# Altium PCB SupBigBrrg_0.PcbDoc (part 23 of 29)
Units mm, origin at the board's own origin, x right, y up, seen from the top; angles counter-clockwise.
Board outline 400 x 344 mm, 6 copper layers (TopLayer, PlaneGnd, PlanePwr, MidLayer3, MidLayer4, BottomLayer); 1288 components, 1323 nets, 5024 pads, 1078 vias.
Unrouted connection lines stored in the file: 1824.
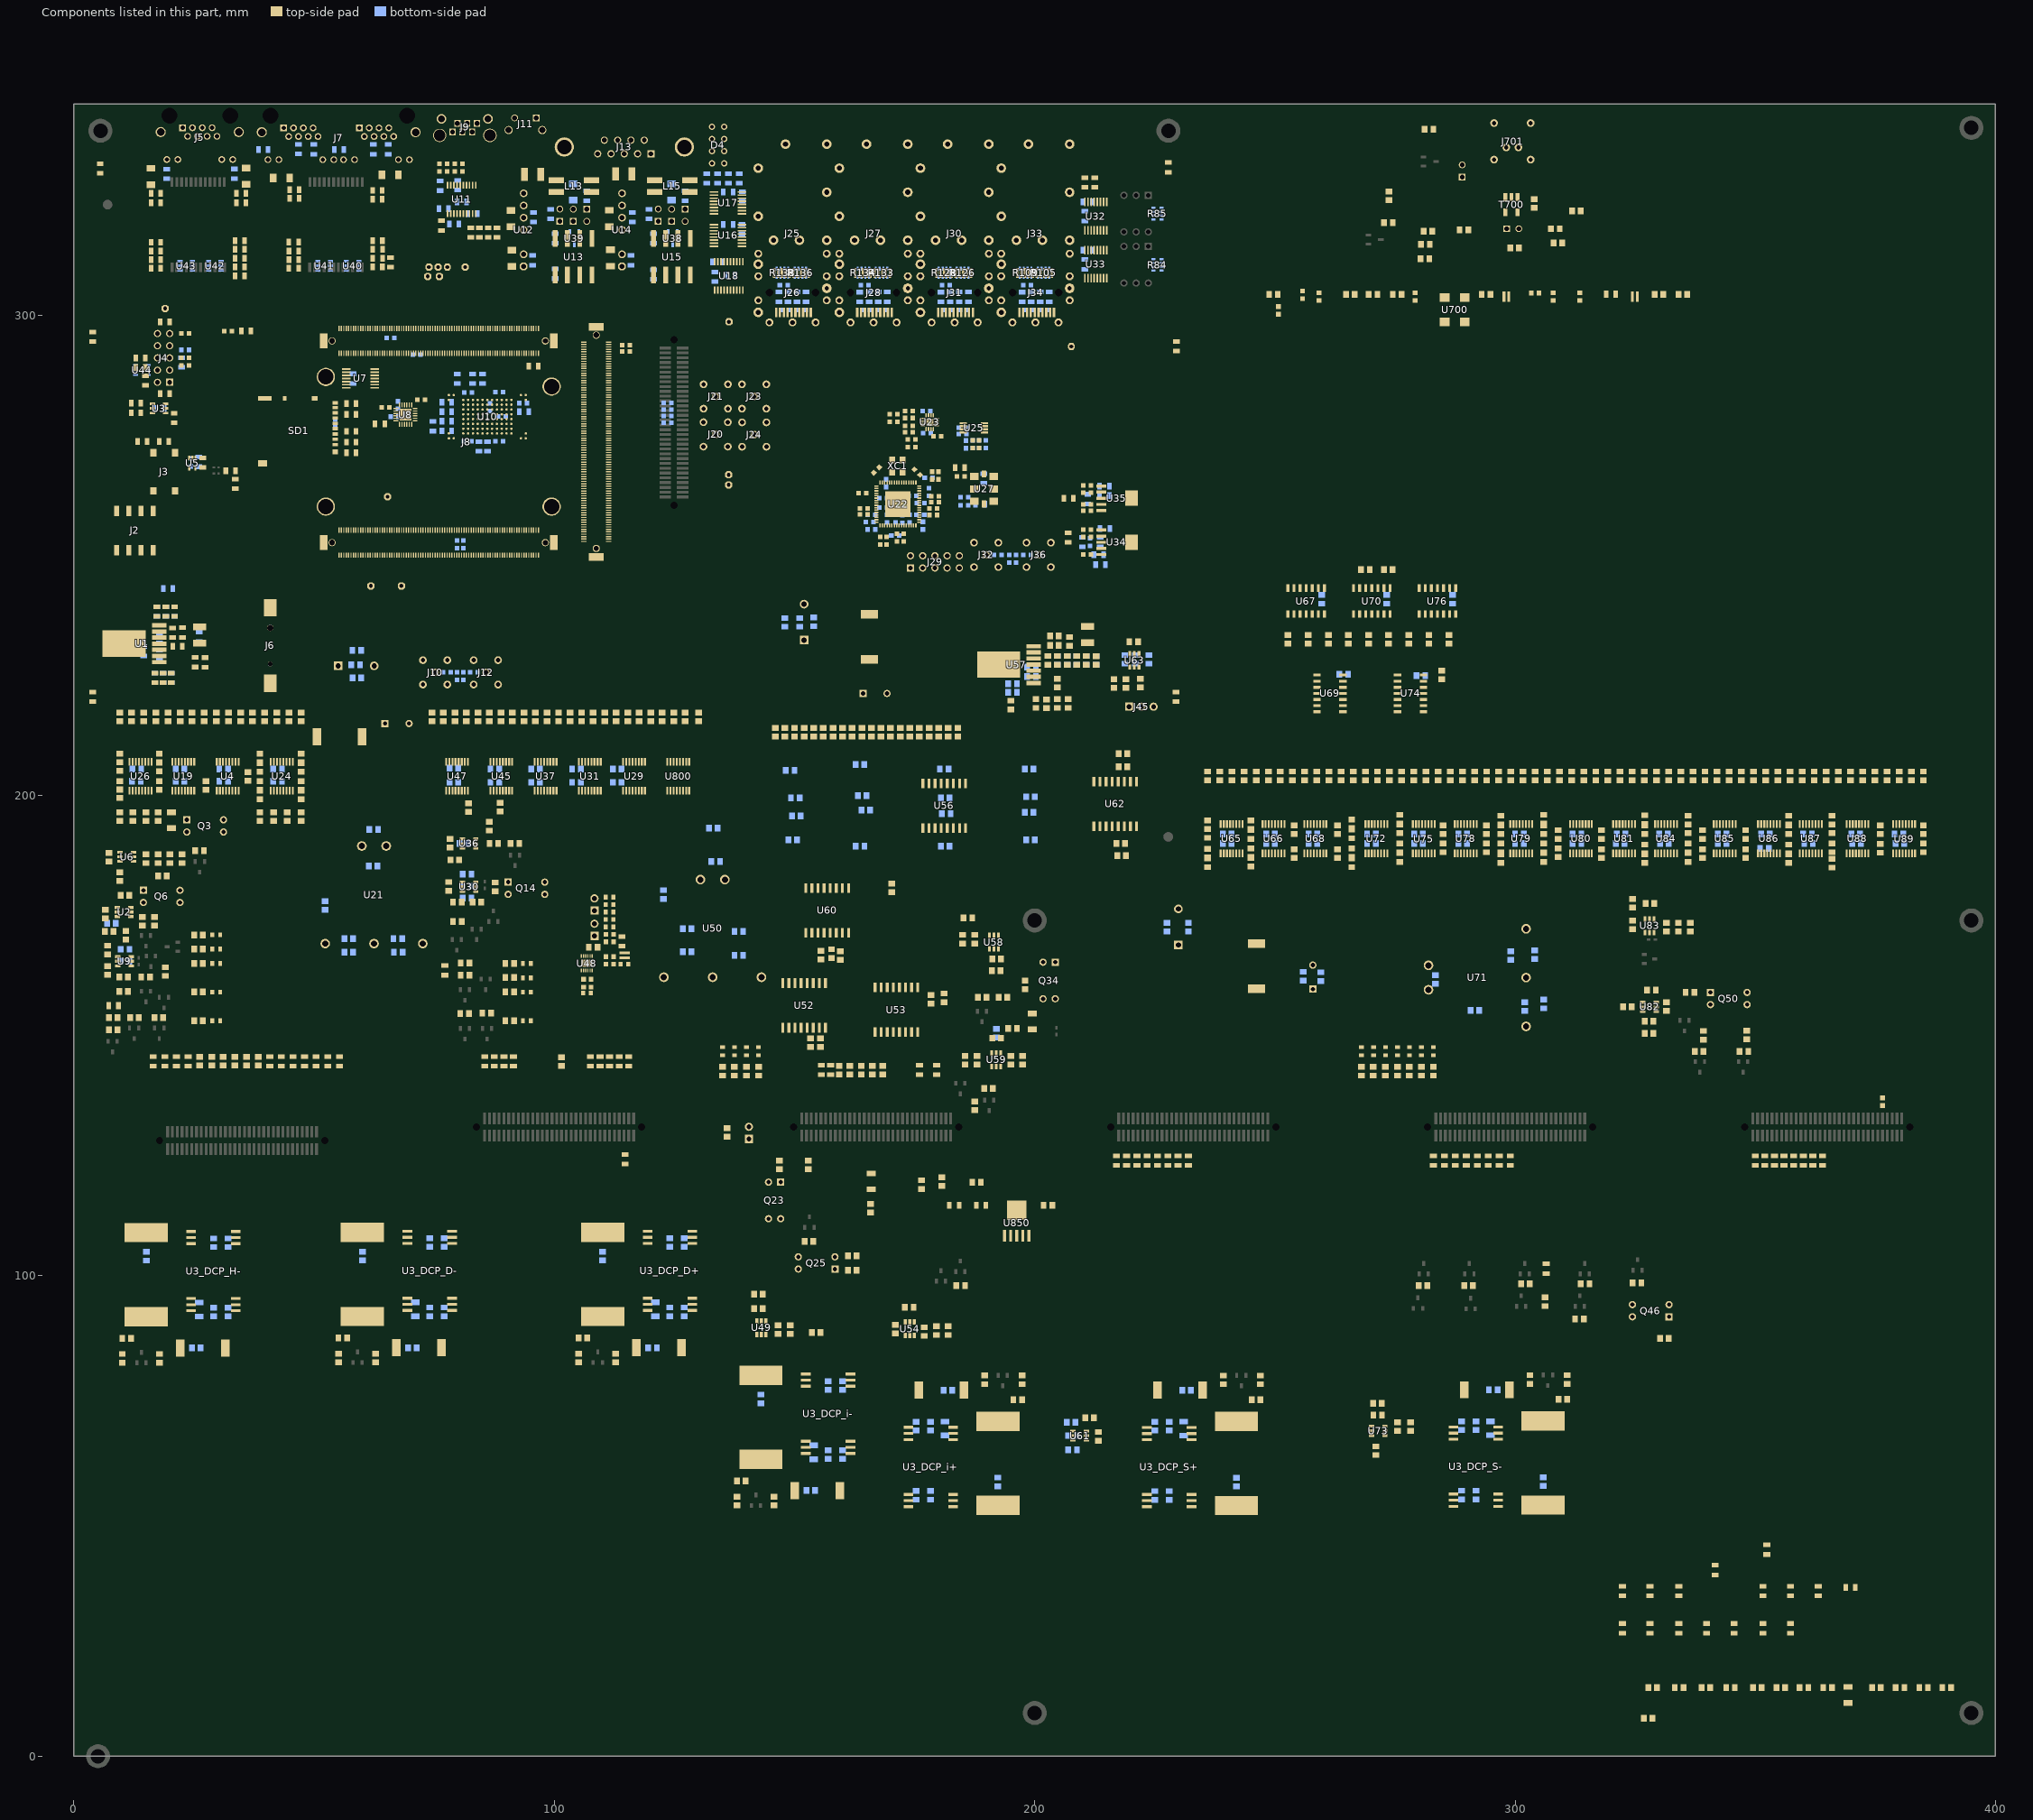
[diagram p27: the components of this part, seen from the top]

## Components (designator, comment, footprint, x,y, rotation, side; value= is the part's Value field where it differs from the comment) (continued)
R379 "0" SMD0805RES 266,185 r90 top locked (schematic designator R352)
R380 "0" SMD0805RES 266.002,193.098 r90 top locked (schematic designator R351)
R381 "10k" SMD0805RES 265.998,189.102 r270 top locked (schematic designator R333)
R382 "120" SMD0805RES 266.307,203.098 r90 top locked (schematic designator R331)
R383 "10k" SMD0805RES 268.002,141.598 r90 top locked (schematic designator R481)
R384 "120" SMD0805RES 268.832,203.098 r90 top locked (schematic designator R336)
R385 "1k" SMD0805RES 269.502,231.5 r90 top locked (schematic designator R300)
R386 "10k" SMD0805RES 270.502,141.598 r90 top locked (schematic designator R476)
R387 "430" SMD0805RES 272.352,73.502 r180 top locked (schematic designator R504)
R388 "5k6" SMD0805RES 271.002,62.598 r90 top locked (schematic designator R503)
R389 "120" SMD0805RES 271.358,203.098 r90 top locked (schematic designator R341)
R390 "100k" SMD0805RES 274.602,247.002 r180 top locked (schematic designator R299)
R391 "10k" SMD0805RES 272.998,143.602 r270 top locked (schematic designator R489)
R392 "1k" SMD0805RES 273.689,231.5 r90 top locked (schematic designator R298)
R393 "120" SMD0805RES 273.883,203.098 r90 top locked (schematic designator R346)
R394 "10k" SMD0805RES 275.498,143.602 r270 top locked (schematic designator R492)
R395 "0" SMD0805RES 276.002,194.098 r90 top locked (schematic designator R350)
R396 "10k" SMD0805RES 276.002,192.098 r90 top locked (schematic designator R343)
R397 "10k" SMD0805RES 275.998,190.102 r270 top locked (schematic designator R395)
R398 "0" SMD0805RES 275.998,188.102 r270 top locked (schematic designator R349)
R399 "120" SMD0805RES 276.409,203.098 r90 top locked (schematic designator R329)
R400 "10k" SMD0805RES 277.873,233.504 r270 top locked (schematic designator R303)
R401 "1k" SMD0805RES 277.998,143.602 r270 top locked (schematic designator R501)
R402 "100k" SMD0805RES 278.248,69.652 r270 top locked (schematic designator R500)
R403 "120" SMD0805RES 278.934,203.098 r90 top locked (schematic designator R339)
R404 "100k" SMD0805RES 279.848,97.998 r0 top locked (schematic designator R490)
R405 "1k" SMD0805RES 280.498,143.602 r270 top locked (schematic designator R505)
R406 "120" SMD0805RES 281.459,203.098 r90 top locked (schematic designator R334)
R407 "10k" SMD0805RES 282.061,233.504 r270 top locked (schematic designator R302)
R408 "3k" SMD0805RES 283.002,141.598 r90 top locked (schematic designator R495)
R409 "120" SMD0805RES 283.985,203.098 r90 top locked (schematic designator R344)
R410 "10k" SMD0805RES 284.748,226.102 r270 top locked (schematic designator R304)
R411 "10k" SMD0805RES 285.002,191.898 r90 top locked (schematic designator R337)
R412 "10k" SMD0805RES 284.998,190.102 r270 top locked (schematic designator R332)
R413 "1k" SMD0805RES 286.252,231.5 r90 top locked (schematic designator R301)
R414 "120" SMD0805RES 286.51,203.098 r90 top locked (schematic designator R330)
R415 "120" SMD0805RES 289.036,203.098 r90 top locked (schematic designator R335)
R416 "100k" SMD0805RES 289.348,97.998 r0 top locked (schematic designator R493)
R417 "120" SMD0805RES 291.561,203.098 r90 top locked (schematic designator R340)
R418 "10k" SMD0805RES 294.002,191.898 r90 top locked (schematic designator R342)
R419 "10k" SMD0805RES 293.998,190.102 r270 top locked (schematic designator R347)
R420 "120" SMD0805RES 294.087,203.098 r90 top locked (schematic designator R345)
R421 "120" SMD0805RES 296.612,203.098 r90 top locked (schematic designator R355)
R422 "0" SMD0805RES 297.002,193.898 r90 top locked (schematic designator R375)
R423 "10k" SMD0805RES 297.002,191.898 r90 top locked (schematic designator R362)
R424 "0" SMD0805RES 297.002,185.898 r90 top locked (schematic designator R376)
R425 "10k" SMD0805RES 296.998,190.102 r270 top locked (schematic designator R357)
R426 "120" SMD0805RES 299.137,203.098 r90 top locked (schematic designator R360)
R427 "100k" SMD0805RES 301.148,98.369 r0 top locked (schematic designator R502)
R428 "120" SMD0805RES 301.663,203.098 r90 top locked (schematic designator R365)
R430 "120" SMD0805RES 304.188,203.098 r90 top locked (schematic designator R370)
R431 "0" SMD0805RES 306.002,194.098 r90 top locked (schematic designator R374)
R432 "10k" SMD0805RES 306.002,191.898 r90 top locked (schematic designator R367)
R433 "10k" SMD0805RES 305.998,190.102 r270 top locked (schematic designator R372)
R434 "0" SMD0805RES 305.998,188.102 r270 top locked (schematic designator R373)
R435 "120" SMD0805RES 306.714,203.098 r90 top locked (schematic designator R354)
R436 "10k" SMD0805RES 309.002,190.898 r90 top locked (schematic designator R361)
R437 "10k" SMD0805RES 308.998,189.102 r270 top locked (schematic designator R356)
R439 "120" SMD0805RES 309.239,203.098 r90 top locked (schematic designator R359)
R441 "120" SMD0805RES 311.764,203.098 r90 top locked (schematic designator R364)
R442 "100k" SMD0805RES 313.598,98.369 r0 top locked (schematic designator R506)
R443 "120" SMD0805RES 314.29,203.098 r90 top locked (schematic designator R369)
R444 "120" SMD0805RES 316.815,203.098 r90 top locked (schematic designator R353)
R445 "10k" SMD0805RES 318.002,190.898 r90 top locked (schematic designator R366)
R446 "10k" SMD0805RES 317.998,188.902 r270 top locked (schematic designator R371)
R447 "120" SMD0805RES 319.341,203.098 r90 top locked (schematic designator R358)
R448 "120" SMD0805RES 321.866,203.098 r90 top locked (schematic designator R363)
R449 "15k" SMD0805RES 322.398,155.998 r0 top locked (schematic designator R488)
R450 "120" SMD0805RES 324.392,203.098 r90 top locked (schematic designator R368)
R451 "10k" SMD0805RES 324.498,174.102 r270 top locked (schematic designator R479)
R452 "680k" SMD0805RES 324.398,98.498 r0 top locked (schematic designator R496)
R453 "120" SMD0805RES 326.917,203.098 r90 top locked (schematic designator R379)
R454 "0" SMD0805RES 327,194 r90 top locked (schematic designator R399)
R455 "10k" SMD0805RES 327.002,191.898 r90 top locked (schematic designator R386)
R456 "0" SMD0805RES 327.002,185.898 r90 top locked (schematic designator R400)
R457 "10k" SMD0805RES 326.998,189.902 r270 top locked (schematic designator R381)
R458 "430" SMD0805RES 328.902,150.502 r180 top locked (schematic designator R491)
R459 "100k" SMD0805RES 327.098,177.498 r0 top locked (schematic designator R480)
R460 "120" SMD0805RES 329.442,203.098 r90 top locked (schematic designator R384)
R461 "56k" SMD0805RES 330.098,86.998 r0 top locked (schematic designator R499)
R462 "100k" SMD0805RES 331.498,157.102 r270 top locked (schematic designator R486)
R463 "120" SMD0805RES 331.968,203.098 r90 top locked (schematic designator R389)
R464 "430" SMD0805RES 334.002,171.598 r90 top locked (schematic designator R484)
R465 "120" SMD0805RES 334.493,203.098 r90 top locked (schematic designator R394)
R466 "56k" SMD0805RES 335.398,158.998 r0 top locked (schematic designator R487)
R467 "0" SMD0805RES 336.002,193.898 r90 top locked (schematic designator R398)
R468 "10k" SMD0805RES 336.002,192.098 r90 top locked (schematic designator R391)
R469 "10k" SMD0805RES 335.998,190.102 r270 top locked (schematic designator R396)
R470 "0" SMD0805RES 335.998,188.102 r270 top locked (schematic designator R397)
R471 "15k" SMD0805RES 336.498,173.602 r270 top locked (schematic designator R482)
R472 "120" SMD0805RES 337.019,203.098 r90 top locked (schematic designator R378)
R473 "100k" SMD0805RES 337.348,146.748 r0 top locked (schematic designator R477)
R474 "10k" SMD0805RES 339.002,190.898 r90 top locked (schematic designator R385)
R475 "10k" SMD0805RES 338.998,188.902 r270 top locked (schematic designator R380)
R476 "100k" SMD0805RES 339.248,151.102 r270 top locked (schematic designator R478)
R477 "120" SMD0805RES 339.544,203.098 r90 top locked (schematic designator R383)
R478 "120" SMD0805RES 342.07,203.098 r90 top locked (schematic designator R388)
R479 "120" SMD0805RES 344.595,203.098 r90 top locked (schematic designator R393)
R480 "680k" SMD0805RES 348.652,146.752 r180 top locked (schematic designator R483)
R481 "120" SMD0805RES 347.12,203.098 r90 top locked (schematic designator R377)
R482 "10k" SMD0805RES 348.002,190.898 r90 top locked (schematic designator R390)
R483 "10k" SMD0805RES 347.998,188.902 r270 top locked (schematic designator R395)
R484 "680k" SMD0805RES 348.248,151.152 r270 top locked (schematic designator R485)
R485 "120" SMD0805RES 349.646,203.098 r90 top locked (schematic designator R382)
R486 "120" SMD0805RES 352.171,203.098 r90 top locked (schematic designator R387)
R487 "120" SMD0805RES 354.697,203.098 r90 top locked (schematic designator R392)
R488 "0" SMD0805RES 357.002,193.898 r90 top locked (schematic designator R423)
R489 "10k" SMD0805RES 357.002,191.898 r90 top locked (schematic designator R410)
R490 "0" SMD0805RES 357.002,185.898 r90 top locked (schematic designator R424)
R491 "10k" SMD0805RES 356.998,189.902 r270 top locked (schematic designator R405)
R492 "120" SMD0805RES 357.222,203.098 r90 top locked (schematic designator R403)
R493 "120" SMD0805RES 359.748,203.098 r90 top locked (schematic designator R408)
R494 "120" SMD0805RES 362.273,203.098 r90 top locked (schematic designator R413)
R495 "120" SMD0805RES 364.798,203.098 r90 top locked (schematic designator R418)
R496 "0" SMD0805RES 366.002,193.898 r90 top locked (schematic designator R422)
R497 "10k" SMD0805RES 366.002,192.098 r90 top locked (schematic designator R415)
R498 "10k" SMD0805RES 365.998,190.102 r270 top locked (schematic designator R420)
R499 "0" SMD0805RES 365.998,186.902 r270 top locked (schematic designator R421)
R500 "120" SMD0805RES 367.324,203.098 r90 top locked (schematic designator R401)
R501 "120" SMD0805RES 369.849,203.098 r90 top locked (schematic designator R406)
R502 "120" SMD0805RES 372.375,203.098 r90 top locked (schematic designator R411)
R503 "120" SMD0805RES 374.9,203.098 r90 top locked (schematic designator R416)
R504 "10k" SMD0805RES 376.002,191.898 r90 top locked (schematic designator R404)
R505 "10k" SMD0805RES 376,190 r270 top locked (schematic designator R409)
R506 "120" SMD0805RES 377.425,203.098 r90 top locked (schematic designator R402)
R507 "120" SMD0805RES 379.951,203.098 r90 top locked (schematic designator R407)
R508 "120" SMD0805RES 382.476,203.098 r90 top locked (schematic designator R412)
R509 "120" SMD0805RES 385.002,203.098 r90 top locked (schematic designator R417)
R510 "10k" SMD0805RES 385.002,191.898 r90 top locked (schematic designator R414)
R511 "10k" SMD0805RES 384.998,190.102 r270 top locked (schematic designator R419)
R512 "1k5" SMD0805RES 223.748,227.348 r90 bottom locked (schematic designator R292)
R513 "5k6" SMD0805RES 208.902,63.748 r180 bottom locked (schematic designator R497)
R514 "430" SMD0805RES 208.602,69.498 r180 bottom locked (schematic designator R498)
R515 "DNP" SMD0805RES 200.152,190.748 r180 bottom (schematic designator R263)
R516 "1k" SMD0805RES 197.848,205.502 r0 bottom (schematic designator R262)
R517 "15k" SMD0805RES 192,149.5 r90 bottom (schematic designator R454)
R518 "1k" SMD0805RES 180.348,189.502 r0 bottom (schematic designator R252)
R519 "DNP" SMD0805RES 182.152,205.498 r180 bottom (schematic designator R251)
R520 "1k" SMD0805RES 162.648,189.502 r0 bottom (schematic designator R243)
R521 "DNP" SMD0805RES 164.602,206.498 r180 bottom (schematic designator R242)
R522 "DNP" SMD0805RES 150.652,190.748 r180 bottom (schematic designator R241)
R523 "1k" SMD0805RES 148.098,205.252 r0 bottom (schematic designator R240)
R524 "430" SMD0805RES 82.852,183.648 r180 bottom locked (schematic designator R9)
R525 "5k6" SMD0805RES 82.852,178.648 r180 bottom locked (schematic designator R7)
R526 "0" SMD0805RES 17.748,208.852 r270 top locked (schematic designator R236)
R527 "100k" SMD0805RES 17.502,194.598 r90 top locked (schematic designator R235)
R528 "0" SMD0805RES 9.498,208.852 r270 top locked (schematic designator R237)
R529 "0" SMD0805RES 9.502,199.398 r90 top locked (schematic designator R238)
R530 "0" SMD0805RES 47.248,208.852 r270 top locked (schematic designator R223)
R531 "0" SMD0805RES 47.252,199.148 r90 top locked (schematic designator R222)
R532 "0" SMD0805RES 38.698,208.852 r270 top locked (schematic designator R224)
R533 "0" SMD0805RES 38.702,199.148 r90 top locked (schematic designator R225)
R534 "430" SMD0805RES 11.652,165.498 r180 bottom locked (schematic designator R433)
R700 "430" SMD0805RES 248.698,304.374 r0 top locked (schematic designator R8)
R701 "DNP" SMD0805RES 264.698,304.374 r0 top locked (schematic designator R7)
R702 "22" SMD0805RES 269.448,304.374 r0 top locked (schematic designator R2)
R703 "510" SMD0805RES 274.448,304.374 r0 top locked (schematic designator R5)
R704 "DNP" SMD0805RES 280.25,311.75 r0 top locked (schematic designator R14)
R705 "1k" SMD0805RES 280.348,314.748 r0 top locked (schematic designator R17)
R706 "22" SMD0805RES 280.898,317.498 r0 top locked (schematic designator R13)
R707 "1k1" SMD0805RES 281.098,338.748 r0 top locked (schematic designator R15)
R708 "22" SMD0805RES 272.648,319.248 r0 top locked (schematic designator R12)
R709 "DNP" SMD0805RES 292.948,304.374 r0 top locked (schematic designator R1)
R710 "52.3" SMD0805RES 300.902,314.002 r180 top locked (schematic designator R9)
R711 "1k5" SMD0805RES 307.398,317.998 r0 top locked (schematic designator R10)
R712 "1k5" SMD0805RES 311.75,321.75 r0 top locked (schematic designator R11)
R800 "10k" SMD0805RES 326.698,7.898 r0 top locked (schematic designator R14)
R801 "1k" SMD0805RES 327.649,14.274 r0 top locked (schematic designator R13)
R802 "1k" SMD0805RES 333.149,14.274 r0 top locked (schematic designator R12)
R803 "10k" SMD0805RES 338.749,14.274 r0 top locked (schematic designator R11)
R804 "1k" SMD0805RES 343.849,14.274 r0 top locked (schematic designator R10)
R805 "1k" SMD0805RES 349.449,14.274 r0 top locked (schematic designator R9)
R806 "10k" SMD0805RES 354.349,14.274 r0 top locked (schematic designator R8)
R807 "1k" SMD0805RES 359.149,14.274 r0 top locked (schematic designator R7)
R808 "1k" SMD0805RES 364.049,14.274 r0 top locked (schematic designator R5)
R809 "10k" SMD0805RES 374.249,14.274 r0 top locked (schematic designator R2)
R810 "100k" SMD0805RES 379.149,14.274 r0 top locked (schematic designator R1)
R850 "1k" SMD0805RES 165.798,115.102 r270 top (schematic designator R2)
R851 "1k" SMD0805RES 186.898,119.498 r0 top (schematic designator R1)
SD1 "DM3AT-SF-PEJM5" SD_HRS-DM3AT-8_V 46.825,275.925 r270 top locked
T700 "TC1-1T+" XFMR_MINI-CIRCUITS_AT224 299.25,323 r0 top locked value=1:1 (schematic designator T1)
TP1 "test point" TEST_POINT 18.975,301.4 r90 top locked (schematic designator TP5)
TP2 "test point" TEST_POINT 61.8,243.65 r90 top locked (schematic designator TP12)
TP3 "test point" TEST_POINT 65.275,262.2 r90 top locked (schematic designator TP11)
TP4 "test point" TEST_POINT 68.15,243.65 r0 top locked (schematic designator TP1)
TP5 "test point" TEST_POINT 73.625,308.075 r90 top locked (schematic designator TP6)
TP6 "test point" TEST_POINT 73.875,310 r90 top locked (schematic designator TP10)
TP7 "test point" TEST_POINT 75.8,310 r90 top locked (schematic designator TP4)
TP8 "test point" TEST_POINT 76.05,308.075 r90 top locked
TP9 "test point" TEST_POINT 77.725,310 r90 top locked (schematic designator TP2)
TP10 "test point" TEST_POINT 81.425,310 r90 top locked (schematic designator TP3)
TP11 "test point" TEST_POINT 136.3,264.675 r0 top locked (schematic designator TP13)
TP12 "test point" TEST_POINT 136.3,266.775 r0 top locked (schematic designator TP14)
TP13 "test point" TEST_POINT 136.35,298.625 r90 top locked (schematic designator TP7)
TP14 "test point" TEST_POINT 207.625,293.475 r90 top locked (schematic designator TP9)
U1 "LMZ10504EXT" TO-PMOD7 11.71,231.61 r180 top locked (schematic designator U7)
U2 "TPS3808ADJ" SOT95P270X145-6N 10.449,175.75 r180 top locked value=ADJ (schematic designator U69)
U3 "TPS3808G33QDBVRQ1" SOT95P280X100-6N 17.685,280.585 r0 top locked (schematic designator U27)
U3_DCP_D+ "DCP020507U" SOIC127P1033X265-12_28N 124.05,101.05 r180 top locked value=0507U (schematic designator U3)
U3_DCP_D- "DCP020507U" SOIC127P1033X265-12_28N 74.05,101.05 r180 top locked value=0507U (schematic designator U3)
U3_DCP_H- "DCP020507U" SOIC127P1033X265-12_28N 29.05,101 r180 top locked value=0507U (schematic designator U3)
U3_DCP_i+ "DCP020507U" SOIC127P1033X265-12_28N 178.35,60.215 r0 top locked value=0507U (schematic designator U3)
U3_DCP_i- "DCP020507U" SOIC127P1033X265-12_28N 157,71.3 r180 top locked value=0507U (schematic designator U3)
U3_DCP_S+ "DCP020507U" SOIC127P1033X265-12_28N 228,60.2 r0 top locked value=0507U (schematic designator U3)
U3_DCP_S- "DCP020507U" SOIC127P1033X265-12_28N 291.85,60.285 r0 top locked value=0507U (schematic designator U3)
U4 "SN74AVC4T774" TSSOP-16 32,204.046 r90 top locked (schematic designator U13)
U5 "TPS79733DCK" SOT65P210X110-5N 24.65,269.225 r270 top locked (schematic designator U28)
U6 "TPS3808ADJ" SOT95P270X145-6N 11,187.25 r180 top locked value=ADJ (schematic designator U70)
U7 "SN74LVC04APW" SOP65P640X110-14N 59.64,286.84 r180 top locked (schematic designator U26)
U8 "TXS02612RTWR" QFN50P400X400X80-25N-S245 69.025,279.3 r90 top locked (schematic designator U25)
U9 "TPS3808ADJ" SOT95P270X145-6N 10.5,165.5 r180 top locked value=ADJ (schematic designator U67)
U10 "MTFC8GACAEDQ-AAT TR" BGA100C100P10X17_1400X1800X120 94.05,283.375 r270 top locked (schematic designator U24)
U11 "ADM3222ARUZ" SOP65P640X110-20N 80.71,324.11 r90 top locked value=ADM3222 (schematic designator U19)
U12 "AM1D-0505S-N" SIP-7 93.624,310.135 r90 top locked (schematic designator U10)
U13 "ISO1050DU" SOP8 104,312.175 r90 top locked (schematic designator U9)
U14 "AM1D-0505S-N" SIP-7 114.099,310.135 r90 top locked (schematic designator U10)
U15 "ISO1050DU" SOP8 124.475,312.175 r90 top locked (schematic designator U9)
U16 "PCA9534PW" SOP65P640X110-16N 136.175,316.6 r0 top locked (schematic designator U32)
U17 "PCA9534PW" SOP65P640X110-16N 136.175,323.375 r0 top locked (schematic designator U31)
U18 "PCA9544APW" SOP65P640X110-20N 136.325,308.175 r90 top locked (schematic designator U30)
U19 "SN74AVC4T774" TSSOP-16 22.75,204.046 r90 top locked (schematic designator U14)
U21 "AM15E-1218DZ" DCDC_Aimtec_Dual 62.46,179.34 r270 top locked value=1218DZ (schematic designator U68)
U22 "Si5395A-A-GM" QFN50P900X900X100-65N-S530 171.525,260.675 r270 top locked value=Si5395A (schematic designator U35)
U23 "ADCLK925BCPZ" QFN50P300X300X100-17N-S150 178.15,277.725 r180 top locked (schematic designator U41)
U24 "SN74AVC4T774" TSSOP-16 43.25,204.046 r90 top locked (schematic designator U15)
U25 "ADCMP553BRMZ" SOP65P490X110-8N 187.3,276.55 r180 top locked (schematic designator U38)
U26 "SN74AVC4T774" TSSOP-16 13.854,204.046 r90 top locked (schematic designator U16)
U27 "570CBC000306DG" FP-57x-MFG 189.45,263.85 r180 top locked value=Si570 (schematic designator U39)
U29 "SN74AVC4T774" TSSOP-16 116.59,204.046 r90 top locked (schematic designator U4)
U30 "TPS3808ADJ" SOT95P270X145-6N 82.254,181 r180 top locked value=ADJ (schematic designator U1)
U31 "SN74AVC4T774" TSSOP-16 107.38,204.046 r90 top locked (schematic designator U5)
U32 "PCA9534PW" SOP65P640X110-16N 212.725,320.625 r90 top locked (schematic designator U34)
U33 "PCA9534PW" SOP65P640X110-16N 212.725,310.6 r90 top locked
U34 "REG104GA-A" SOT223 216.875,252.725 r0 top locked (schematic designator U36)
U35 "REG104GA-3.3" SOT223 216.875,261.883 r0 top locked (schematic designator U37)
U36 "TPS3808ADJ" SOT95P270X145-6N 82.254,190 r180 top locked value=ADJ (schematic designator U2)
U37 "SN74AVC4T774" TSSOP-16 98.17,204.046 r90 top locked (schematic designator U6)
U38 "SM712" SOT95P240X110-3N 124.625,316.025 r270 bottom locked (schematic designator U29)
U39 "SM712" SOT95P240X110-3N 104.15,316.025 r270 bottom locked (schematic designator U29)
U40 "IP4220CZ6" SOT95P285X110-6N 58.015,310.285 r0 bottom locked (schematic designator U23)
U41 "IP4220CZ6" SOT95P285X110-6N 52.075,310.285 r0 bottom locked (schematic designator U22)